# KiCad board mackerel-30-proto.kicad_pcb (continued)
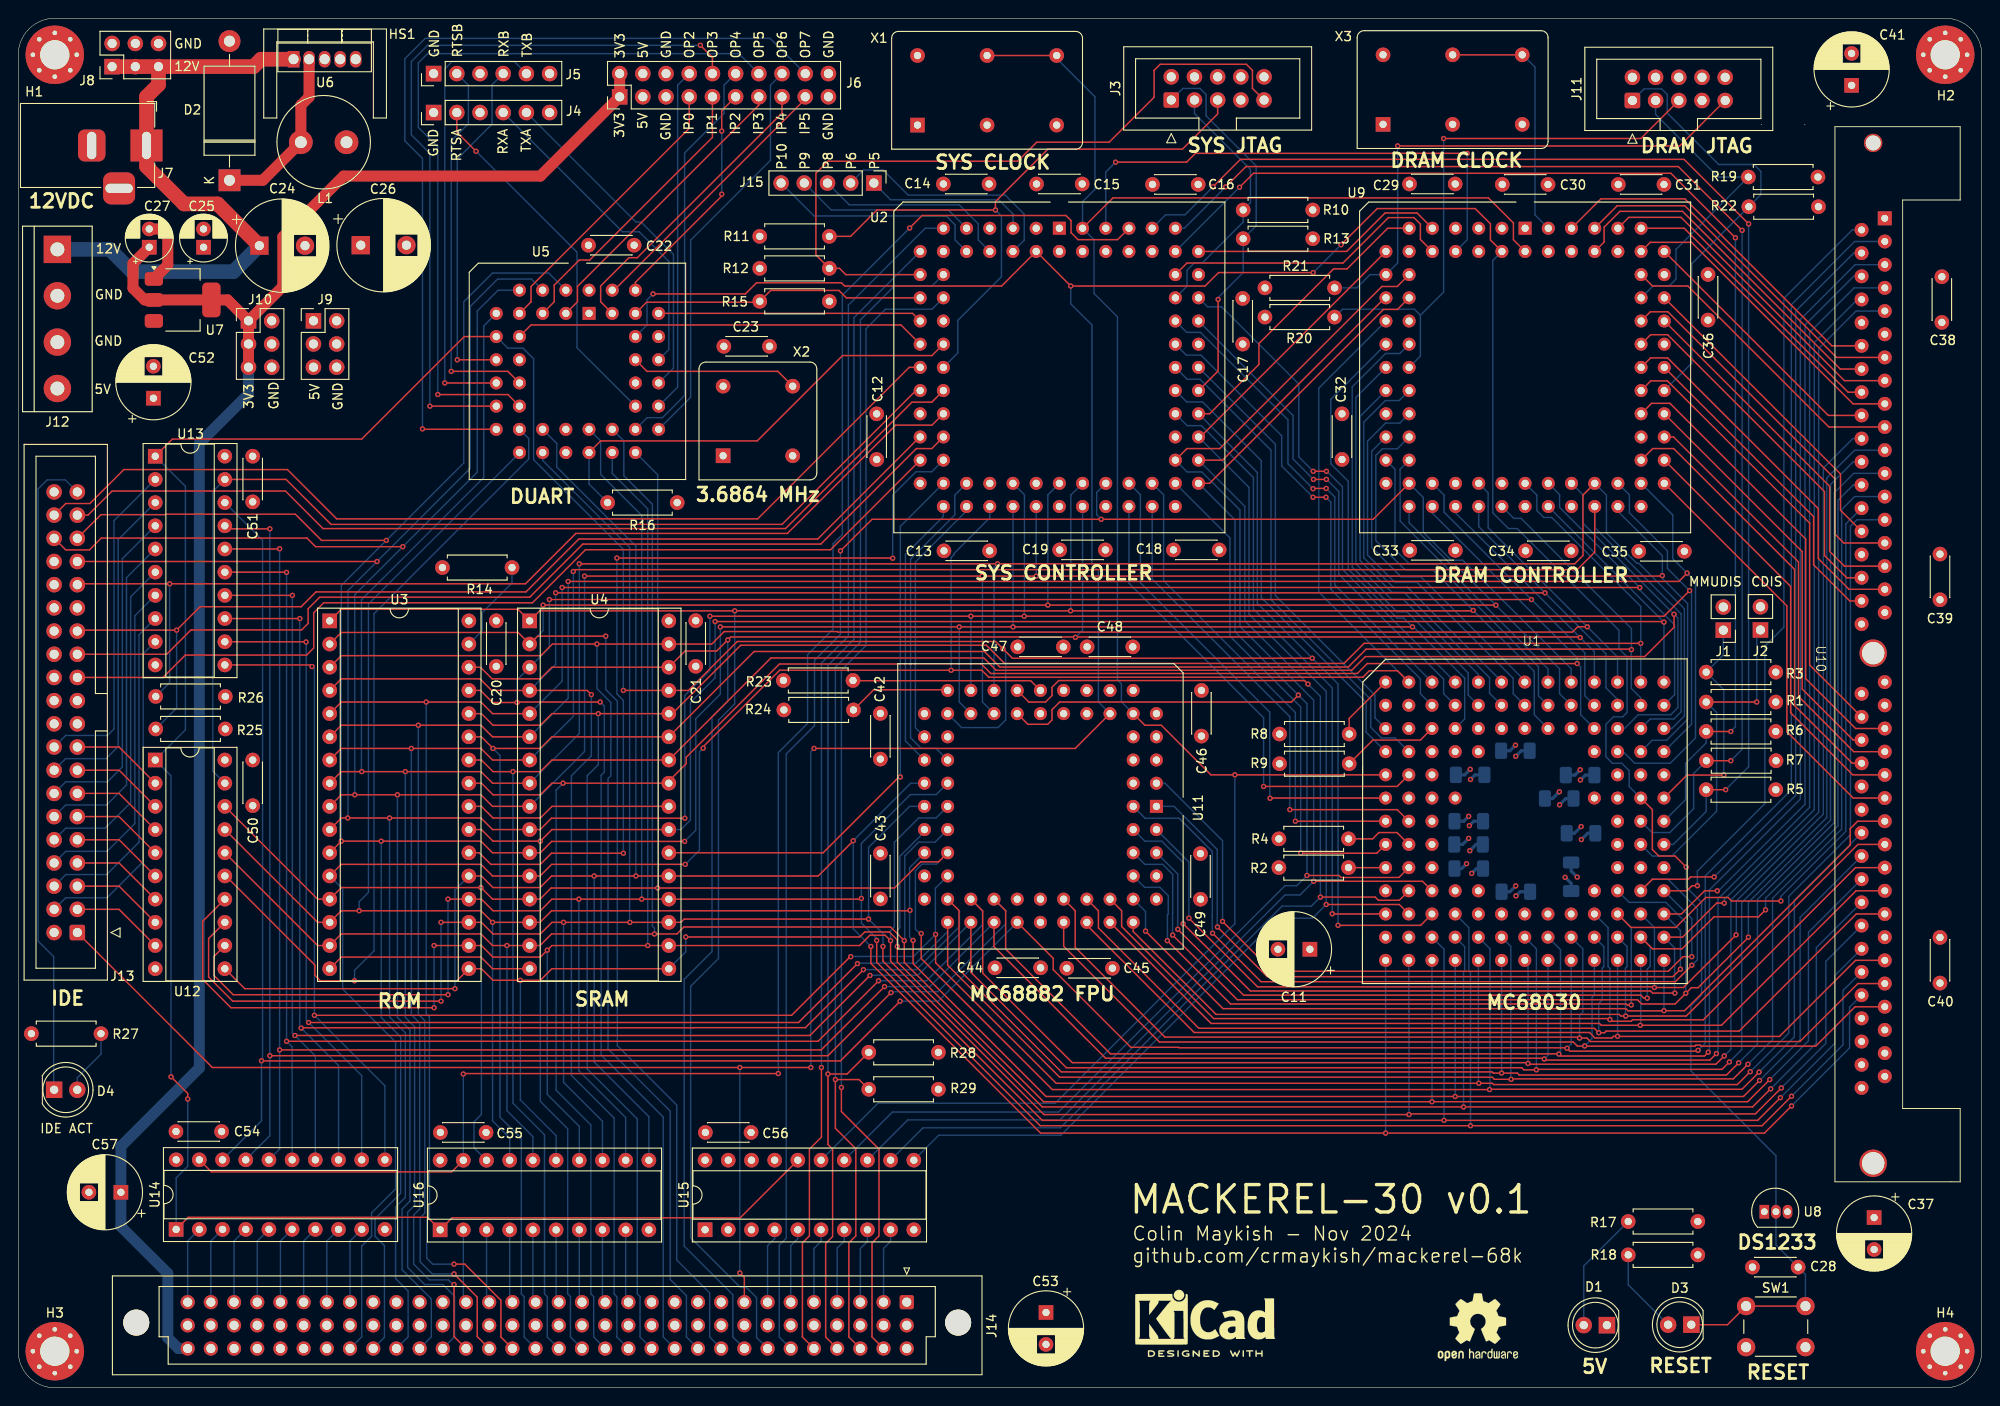
[diagram p0: board, top side]
## Footprints (pads in the part's own frame, mm; a bottom-side part is the same pattern mirrored in y, then rotated) (continued)
PinHeader_1x02_P2.54mm_Vertical
  rect 1.7x1.7 hole 1: 1(0,0)
  oval 1.7x1.7 hole 1: 2(0,-2.54)
PinHeader_1x05_P2.54mm_Vertical
  rect 1.7x1.7 hole 1: 1(0,0)
  oval 1.7x1.7 hole 1: 2(0,-2.54) 3(0,-5.08) 4(0,-7.62) 5(0,-10.16)
PinHeader_1x06_P2.54mm_Vertical
  rect 1.7x1.7 hole 1: 1(0,0)
  oval 1.7x1.7 hole 1: 2(0,-2.54) 3(0,-5.08) 4(0,-7.62) 5(0,-10.16) 6(0,-12.7)
PinHeader_2x03_P2.54mm_Vertical
  rect 1.7x1.7 hole 1: 1(0,0)
  oval 1.7x1.7 hole 1: 2(2.54,0) 3(0,-2.54) 4(2.54,-2.54) 5(0,-5.08) 6(2.54,-5.08)
PinHeader_2x10_P2.54mm_Vertical
  rect 1.7x1.7 hole 1: 1(0,0)
  oval 1.7x1.7 hole 1: 2(2.54,0) 3(0,-2.54) 4(2.54,-2.54) 5(0,-5.08) 6(2.54,-5.08) 7(0,-7.62) 8(2.54,-7.62) 9(0,-10.16) 10(2.54,-10.16) 11(0,-12.7) 12(2.54,-12.7) 13(0,-15.24) 14(2.54,-15.24) 15(0,-17.78) 16(2.54,-17.78) 17(0,-20.32) 18(2.54,-20.32) 19(0,-22.86) 20(2.54,-22.86)
PLCC-44_THT-Socket
  rect 1.422x1.422 hole 0.8: 1(0,0)
  round 1.422 hole 0.8: 2(-2.54,2.54) 3(-2.54,0) 4(-5.08,2.54) 5(-5.08,0) 6(-7.62,2.54) 7(-10.16,0) 8(-7.62,0) 9(-10.16,-2.54) 10(-7.62,-2.54) 11(-10.16,-5.08) 12(-7.62,-5.08) 13(-10.16,-7.62) 14(-7.62,-7.62) 15(-10.16,-10.16) 16(-7.62,-10.16) 17(-10.16,-12.7) 18(-7.62,-15.24) 19(-7.62,-12.7) 20(-5.08,-15.24) 21(-5.08,-12.7) 22(-2.54,-15.24) 23(-2.54,-12.7) 24(0,-15.24) 25(0,-12.7) 26(2.54,-15.24) 27(2.54,-12.7) 28(5.08,-15.24) 29(7.62,-12.7) 30(5.08,-12.7) 31(7.62,-10.16) 32(5.08,-10.16) 33(7.62,-7.62) 34(5.08,-7.62) 35(7.62,-5.08) 36(5.08,-5.08) 37(7.62,-2.54) 38(5.08,-2.54) 39(7.62,0) 40(5.08,2.54) 41(5.08,0) 42(2.54,2.54) 43(2.54,0) 44(0,2.54)
PLCC-68_THT-Socket
  rect 1.422x1.422 hole 0.8: 1(0,0)
  round 1.422 hole 0.8: 2(0,-2.54) 3(-2.54,0) 4(-2.54,-2.54) 5(-5.08,0) 6(-5.08,-2.54) 7(-7.62,0) 8(-7.62,-2.54) 9(-10.16,0) 10(-12.7,-2.54) 11(-10.16,-2.54) 12(-12.7,-5.08) 13(-10.16,-5.08) 14(-12.7,-7.62) 15(-10.16,-7.62) 16(-12.7,-10.16) 17(-10.16,-10.16) 18(-12.7,-12.7) 19(-10.16,-12.7) 20(-12.7,-15.24) 21(-10.16,-15.24) 22(-12.7,-17.78) 23(-10.16,-17.78) 24(-12.7,-20.32) 25(-10.16,-20.32) 26(-12.7,-22.86) 27(-10.16,-25.4) 28(-10.16,-22.86) 29(-7.62,-25.4) 30(-7.62,-22.86) 31(-5.08,-25.4) 32(-5.08,-22.86) 33(-2.54,-25.4) 34(-2.54,-22.86) 35(0,-25.4) 36(0,-22.86) 37(2.54,-25.4) 38(2.54,-22.86) 39(5.08,-25.4) 40(5.08,-22.86) 41(7.62,-25.4) 42(7.62,-22.86) 43(10.16,-25.4) 44(12.7,-22.86) 45(10.16,-22.86) 46(12.7,-20.32) 47(10.16,-20.32) 48(12.7,-17.78) 49(10.16,-17.78) 50(12.7,-15.24) 51(10.16,-15.24) 52(12.7,-12.7) 53(10.16,-12.7) 54(12.7,-10.16) 55(10.16,-10.16) 56(12.7,-7.62) 57(10.16,-7.62) 58(12.7,-5.08) 59(10.16,-5.08) 60(12.7,-2.54) 61(10.16,0) 62(10.16,-2.54) 63(7.62,0) 64(7.62,-2.54) 65(5.08,0) 66(5.08,-2.54) 67(2.54,0) 68(2.54,-2.54)
PLCC-84_THT-Socket
  rect 1.422x1.422 hole 0.8: 1(0,0)
  round 1.422 hole 0.8: 2(0,-2.54) 3(-2.54,0) 4(-2.54,-2.54) 5(-5.08,0) 6(-5.08,-2.54) 7(-7.62,0) 8(-7.62,-2.54) 9(-10.16,0) 10(-10.16,-2.54) 11(-12.7,0) 12(-15.24,-2.54) 13(-12.7,-2.54) 14(-15.24,-5.08) 15(-12.7,-5.08) 16(-15.24,-7.62) 17(-12.7,-7.62) 18(-15.24,-10.16) 19(-12.7,-10.16) 20(-15.24,-12.7) 21(-12.7,-12.7) 22(-15.24,-15.24) 23(-12.7,-15.24) 24(-15.24,-17.78) 25(-12.7,-17.78) 26(-15.24,-20.32) 27(-12.7,-20.32) 28(-15.24,-22.86) 29(-12.7,-22.86) 30(-15.24,-25.4) 31(-12.7,-25.4) 32(-15.24,-27.94) 33(-12.7,-30.48) 34(-12.7,-27.94) 35(-10.16,-30.48) 36(-10.16,-27.94) 37(-7.62,-30.48) 38(-7.62,-27.94) 39(-5.08,-30.48) 40(-5.08,-27.94) 41(-2.54,-30.48) 42(-2.54,-27.94) 43(0,-30.48) 44(0,-27.94) 45(2.54,-30.48) 46(2.54,-27.94) 47(5.08,-30.48) 48(5.08,-27.94) 49(7.62,-30.48) 50(7.62,-27.94) 51(10.16,-30.48) 52(10.16,-27.94) 53(12.7,-30.48) 54(15.24,-27.94) 55(12.7,-27.94) 56(15.24,-25.4) 57(12.7,-25.4) 58(15.24,-22.86) 59(12.7,-22.86) 60(15.24,-20.32) 61(12.7,-20.32) 62(15.24,-17.78) 63(12.7,-17.78) 64(15.24,-15.24) 65(12.7,-15.24) 66(15.24,-12.7) 67(12.7,-12.7) 68(15.24,-10.16) 69(12.7,-10.16) 70(15.24,-7.62) 71(12.7,-7.62) 72(15.24,-5.08) 73(12.7,-5.08) 74(15.24,-2.54) 75(12.7,0) 76(12.7,-2.54) 77(10.16,0) 78(10.16,-2.54) 79(7.62,0) 80(7.62,-2.54) 81(5.08,0) 82(5.08,-2.54) 83(2.54,0) 84(2.54,-2.54)
R_Axial_DIN0207_L6.3mm_D2.5mm_P7.62mm_Horizontal
  round 1.6 hole 0.8: 1(0,0)
  oval 1.6x1.6 hole 0.8: 2(7.62,0)
SIMM-72
  rect 1.524x1.524 hole 0.762: 1(0,0)
  round 1.524 hole 0.762: 2(1.27,-2.54) 3(2.54,0) 4(3.81,-2.54) 5(5.08,0) 6(6.35,-2.54) 7(7.62,0) 8(8.89,-2.54) 9(10.16,0) 10(11.43,-2.54) 11(12.7,0) 12(13.97,-2.54) 13(15.24,0) 14(16.51,-2.54) 15(17.78,0) 16(19.05,-2.54) 17(20.32,0) 18(21.59,-2.54) 19(22.86,0) 20(24.13,-2.54) 21(25.4,0) 22(26.67,-2.54) 23(27.94,0) 24(29.21,-2.54) 25(30.48,0) 26(31.75,-2.54) 27(33.02,0) 28(34.29,-2.54) 29(35.56,0) 30(36.83,-2.54) 31(38.1,0) 32(39.37,-2.54) 33(40.64,0) 34(41.91,-2.54) 35(43.18,0) 36(44.45,-2.54) 37(50.8,0) 38(52.07,-2.54) 39(53.34,0) 40(54.61,-2.54) 41(55.88,0) 42(57.15,-2.54) 43(58.42,0) 44(59.69,-2.54) 45(60.96,0) 46(62.23,-2.54) 47(63.5,0) 48(64.77,-2.54) 49(66.04,0) 50(67.31,-2.54) 51(68.58,0) 52(69.85,-2.54) 53(71.12,0) 54(72.39,-2.54) 55(73.66,0) 56(74.93,-2.54) 57(76.2,0) 58(77.47,-2.54) 59(78.74,0) 60(80.01,-2.54) 61(81.28,0) 62(82.55,-2.54) 63(83.82,0) 64(85.09,-2.54) 65(86.36,0) 66(87.63,-2.54) 67(88.9,0) 68(90.17,-2.54) 69(91.44,0) 70(92.71,-2.54) 71(93.98,0) 72(95.25,-2.54)
  round 2 hole 1.63: 73(-8.255,-1.27)
  round 3 hole 2.45: 74(103.505,-1.27) 75(47.63,-1.27)
SOT-223-3_TabPin2
  rrect 2x1.5 smd: 1(-3.15,2.3) 2(-3.15,0) 3(-3.15,-2.3)
  rrect 2x3.8 smd: 2(3.15,0)
SW_PUSH_6mm_H5mm
  round 2 hole 1.1: 1(0,0) 1(6.5,0) 2(0,-4.5) 2(6.5,-4.5)
TerminalBlock_bornier-4_P5.08mm
  rect 3x3 hole 1.52: 1(0,0)
  round 3 hole 1.52: 2(5.08,0) 3(10.16,0) 4(15.24,0)
TO-92L_Inline
  rect 1.05x1.5 hole 0.75: 1(0,0)
  oval 1.05x1.5 hole 0.75: 2(1.27,0) 3(2.54,0)
TO-220-5_Vertical
  rect 1.275x1.8 hole 1.1: 1(0,0)
  oval 1.275x1.8 hole 1.1: 2(1.7,0) 3(3.4,0) 4(5.1,0) 5(6.8,0)

## Nets
+3.3V: C27.1 C57.1 J6.1 J6.2 J10.1 J10.3 J10.5 J14.c32 U7.2
+5V: C1.1 C2.1 C3.1 C4.1 C5.1 C6.1 C7.1 C8.1 C9.1 C10.1 C11.1 C12.1 C13.1 C14.1 C15.1 C16.1 C17.1 C18.1 C19.1 C20.1 C21.1 C22.1 C23.1 C25.1 C26.1 C29.1 C30.1 C31.1 C32.1 C33.1 C34.1 C35.1 C36.1 C37.1 C38.1 C39.1 C40.1 C41.1 C42.1 C43.1 C44.1 C45.1 C46.1 C47.1 C48.1 C49.1 C50.1 C51.1 C52.1 C53.1 C54.1 C55.1 C56.1 J3.4 J6.3 J6.4 J9.1 J9.3 J9.5 J11.4 J12.4 J14.a1 J14.c1 L1.2 R1.1 R2.1 R3.1 R4.1 R5.1 R6.1 R7.1 R8.1 R9.1 R10.1 R11.1 R12.1 R14.1 R15.2 R16.2 R17.1 R18.1 R19.1 R20.1 R21.1 R23.1 R24.1 R27.1 R28.2 R29.2 U1.C6 U1.D4 U1.D10 U1.F2 U1.F11 U1.H3 U1.H11 U1.K4 U1.K10 U1.L6 U2.3 U2.13 U2.26 U2.38 U2.43 U2.53 U2.66 U2.78 U3.32 U4.32 U5.44 U6.4 U7.3 U8.3 U9.3 U9.13 U9.26 U9.38 U9.43 U9.53 U9.66 U9.78 U10.10 U10.30 U10.59 U11.10 U11.16 U11.17 U11.27 U11.43 U11.52 U11.53 U11.61 U12.20 U13.20 U14.20 U15.20 U16.20 X1.14 X2.8 X3.14
+12V: C24.1 J7.1 J8.1 J8.3 J8.5 J12.1 U6.1
GND: C1.2 C2.2 C3.2 C4.2 C5.2 C6.2 C7.2 C8.2 C9.2 C10.2 C11.2 C12.2 C13.2 C14.2 C15.2 C16.2 C17.2 C18.2 C19.2 C20.2 C21.2 C22.2 C23.2 C24.2 C25.2 C26.2 C27.2 C28.2 C29.2 C30.2 C31.2 C32.2 C33.2 C34.2 C35.2 C36.2 C37.2 C38.2 C39.2 C40.2 C41.2 C42.2 C43.2 C44.2 C45.2 C46.2 C47.2 C48.2 C49.2 C50.2 C51.2 C52.2 C53.2 C54.2 C55.2 C56.2 C57.2 D1.1 D2.2 H1.1 H2.1 H3.1 H4.1 J1.2 J2.2 J3.2 J3.10 J4.1 J5.1 J6.5 J6.6 J6.19 J6.20 J7.2 J8.2 J8.4 J8.6 J9.2 J9.4 J9.6 J10.2 J10.4 J10.6 J11.2 J11.10 J12.2 J12.3 J13.2 J13.19 J13.22 J13.24 J13.26 J13.30 J13.40 J14.b1 J14.b2 J14.b3 J14.b4 J14.b5 J14.b6 J14.b7 J14.b8 J14.b9 J14.b10 J14.b11 J14.b12 J14.b13 J14.b14 J14.b15 J14.b16 J14.b17 J14.b18 J14.b19 J14.b20 J14.b21 J14.b22 J14.b23 J14.b24 J14.b25 J14.b26 J14.b27 J14.b28 J14.b29 J14.b30 J14.b31 J14.b32 R13.2 R22.2 R25.1 R26.1 SW1.2 U1.C5 U1.C7 U1.C9 U1.E3 U1.E11 U1.F3 U1.G3 U1.G11 U1.J3 U1.J11 U1.L5 U1.L7 U1.L8 U1.L9 U2.1 U2.7 U2.19 U2.32 U2.42 U2.47 U2.59 U2.72 U2.82 U2.84 U3.16 U3.24 U4.16 U4.24 U5.22 U6.3 U6.5 U7.1 U8.1 U9.1 U9.7 U9.19 U9.32 U9.42 U9.47 U9.59 U9.72 U9.82 U9.84 U10.1 U10.39 U10.72 U11.4 U11.5 U11.6 U11.7 U11.8 U11.9 U11.12 U11.14 U11.19 U11.30 U11.41 U11.51 U11.63 U12.10 U13.10 U14.10 U15.1 U15.10 U15.17 U15.18 U15.19 U16.10 X1.7 X2.4 X3.7
/AS: U1.J2 U2.54 U9.17 U11.21 U15.14
/AVEC: U1.E2 U2.49
/BERR: U1.H1 U2.55
/CAS0: U9.63 U10.40
/CAS1: U9.58 U10.43
/CAS2: U9.61 U10.41
/CAS3: U9.60 U10.42
/CIIN: U1.L1 U2.61
/CS_DRAM: U2.73 U9.10
/CS_DUART: U2.18 U5.39
/CS_FPU: U2.35 U11.29
/CS_ROM: U2.31 U3.22
/CS_SRAM: U2.34 U4.22
/DS: U1.K2 U2.56 U9.16 U11.20 U15.12
/DSACK0: U1.F1 U2.50
/DSACK0_DRAM: U2.74 U9.9
/DSACK0_FPU: U2.33 U11.31
/DSACK1: U1.G2 U2.51
/DSACK1_DRAM: U2.81 U9.8
/DSACK1_FPU: U2.36 U11.32
/DTACK_DUART: U2.20 U5.10
/EXP_BUF: U2.79 U14.19 U16.19
/IACK_DUART: R15.1 U2.16 U5.41
/IDE_BUF: U2.24 U12.19 U13.19
/IDE_CS0: J13.37 U2.25
/IDE_CS1: J13.38 U2.22
/IDE_RD: J13.25 U2.29
/IDE_WR: J13.23 U2.30
/IPL0: R5.2 U1.H13 U2.77
/IPL1: R6.2 U1.G13 U2.76
/IPL2: R7.2 U1.G12 U2.75
/IRQ_DUART: R16.1 U2.21 U5.24
/RAS0: U9.57 U10.44
/RAS1: U9.64 U10.34
/RAS2: U9.56 U10.45
/RAS3: U9.65 U10.33
/RESET: C28.1 D3.1 J13.1 J14.a8 SW1.1 U1.F12 U2.4 U5.38 U8.2 U9.4 U11.13
/RTSA: J4.2 U5.32
/RTSB: J5.2 U5.14
/STERM: U1.G1 U2.52
A0: J14.c25 U1.A2 U2.37 U3.12 U4.12 U9.18
A1: J13.35 J14.c24 U1.C4 U2.39 U3.11 U4.11 U5.2 U9.20 U11.25
A2: J13.33 J14.c23 U1.D13 U2.40 U3.10 U4.10 U5.4 U9.52 U11.24
A3: J13.36 J14.c22 U1.D12 U2.41 U3.9 U4.9 U5.6 U9.51 U11.23
A4: J14.c21 U1.C13 U3.8 U4.8 U5.7 U9.50 U11.22
A5: J14.c20 U1.C12 U3.7 U4.7 U9.49
A6: J14.c19 U1.D11 U3.6 U4.6 U9.55
A7: J14.c18 U1.B13 U3.5 U4.5 U9.46
A8: J14.c17 U1.B12 U3.27 U4.27 U9.41
A9: J14.c16 U1.C11 U3.26 U4.26 U9.48
A10: J14.c15 U1.A13 U3.23 U4.23 U9.45
A11: J14.c14 U1.C10 U3.25 U4.25 U9.35
A12: J14.c13 U1.B11 U3.4 U4.4 U9.39
A13: J14.c12 U1.A12 U3.28 U4.28 U9.44
A14: J14.c11 U1.B10 U3.29 U4.3 U9.36
A15: J14.c10 U1.A11 U3.3 U4.31 U9.40
A16: J14.c9 U1.B9 U2.44 U3.2 U4.2 U9.33
A17: J14.c8 U1.A10 U2.45 U3.30 U4.30 U9.37
A18: J14.c7 U1.C8 U2.46 U3.1 U4.1 U9.29
A19: J14.c6 U1.A9 U2.48 U9.34
A20: U1.B8 U9.30
A21: U1.A8 U9.31
A22: U1.B7 U9.27
A23: U1.A7 U9.28
A24: U1.A6 U9.25
A25: U1.B6 U9.24
A26: U1.A5 U9.22
A27: U1.B5 U9.21
A28: U1.A4 U2.70
A29: U1.B4 U2.68
A30: U1.A3 U2.69
A31: U1.B3 U2.67
CLK_CPU: U1.E1 U2.83 U9.2 U11.11 U15.15 X1.8
CLK_DRAM: U9.83 X3.8
CS_EXP: J14.c5 U2.11
D0: U1.K13 U10.2 U11.3
D1: U1.K12 U10.4 U11.2
D2: U1.L13 U10.6 U11.1
D3: U1.M13 U10.8 U11.68
D4: U1.L12 U10.20 U11.67
D5: U1.K11 U10.22 U11.66
D6: U1.M12 U10.24 U11.65
D7: U1.L11 U10.26 U11.64
D8: U1.N13 U10.49 U11.62
D9: U1.M11 U10.51 U11.60
D10: U1.L10 U10.53 U11.59
D11: U1.N12 U10.55 U11.58
D12: U1.M10 U10.57 U11.57
D13: U1.N11 U10.61 U11.56
D14: U1.M9 U10.63 U11.55
D15: U1.N10 U10.65 U11.54
D16: U1.N9 U10.3 U11.50 U13.18 U14.18
D17: U1.M8 U10.5 U11.49 U13.17 U14.17
D18: U1.N8 U10.7 U11.48 U13.16 U14.16
D19: U1.N7 U10.9 U11.47 U13.15 U14.15
D20: U1.M7 U10.21 U11.46 U13.14 U14.14
D21: U1.N6 U10.23 U11.45 U13.13 U14.13
D22: U1.M6 U10.25 U11.44 U13.12 U14.12
D23: U1.N5 U10.27 U11.42 U13.11 U14.11
D24: U1.M5 U3.13 U4.13 U5.28 U10.50 U11.40 U12.18 U16.18
D25: U1.N4 U3.14 U4.14 U5.18 U10.52 U11.39 U12.17 U16.17
D26: U1.N3 U3.15 U4.15 U5.27 U10.54 U11.38 U12.16 U16.16
D27: U1.M4 U3.17 U4.17 U5.19 U10.56 U11.37 U12.15 U16.15
D28: U1.N2 U3.18 U4.18 U5.26 U10.58 U11.36 U12.14 U16.14
D29: U1.M3 U3.19 U4.19 U5.20 U10.60 U11.35 U12.13 U16.13
D30: U1.L4 U3.20 U4.20 U5.25 U10.62 U11.34 U12.12 U16.12
D31: U1.N1 U3.21 U4.21 U5.21 U10.64 U11.33 U12.11 U16.11
DRAM_A0: U9.81 U10.12
DRAM_A1: U9.79 U10.13
DRAM_A2: U9.80 U10.14
DRAM_A3: U9.77 U10.15
DRAM_A4: U9.75 U10.16
DRAM_A5: U9.76 U10.17
DRAM_A6: U9.74 U10.18
DRAM_A7: U9.70 U10.28
DRAM_A8: U9.68 U10.31
DRAM_A9: U9.67 U10.32
DRAM_A10: U9.73 U10.19
DRAM_A11: U9.69 U10.29
DRAM_WR: U9.54 U10.47
DTACK_EXP: J14.c4 R28.1 U2.12
EXP_AS: J14.a5 U15.6
EXP_CLK: J14.a6 U15.5
EXP_D16: J14.a32 U14.2
EXP_D17: J14.a31 U14.3
EXP_D18: J14.a30 U14.4
EXP_D19: J14.a29 U14.5
EXP_D20: J14.a28 U14.6
EXP_D21: J14.a27 U14.7
EXP_D22: J14.a26 U14.8
EXP_D23: J14.a25 U14.9
EXP_D24: J14.a20 U16.2
EXP_D25: J14.a19 U16.3
EXP_D26: J14.a18 U16.4
EXP_D27: J14.a17 U16.5
EXP_D28: J14.a16 U16.6
EXP_D29: J14.a15 U16.7
EXP_D30: J14.a14 U16.8
EXP_D31: J14.a13 U16.9
EXP_DS: J14.a3 U15.8
EXP_RW: J14.a7 U15.4
EXP_SIZ0: J14.a2 U15.9
EXP_SIZ1: J14.a4 U15.7
FC0: U1.D2 U2.65
FC1: U1.C1 U2.64
FC2: U1.D1 U2.63
IACK_EXP: J14.c2 U2.17
IDE_D0: J13.17 U12.2
IDE_D1: J13.15 U12.3
IDE_D2: J13.13 U12.4
IDE_D3: J13.11 U12.5
IDE_D4: J13.9 U12.6
IDE_D5: J13.7 U12.7
IDE_D6: J13.5 U12.8
IDE_D7: J13.3 U12.9
IDE_D8: J13.4 U13.9
IDE_D9: J13.6 U13.8
IDE_D10: J13.8 U13.7
IDE_D11: J13.10 U13.6
IDE_D12: J13.12 U13.5
IDE_D13: J13.14 U13.4
IDE_D14: J13.16 U13.3
IDE_D15: J13.18 U13.2
IDE_INT: J13.31 R26.2 U2.27
IDE_RDY: J13.27 R25.2 U2.28
IP0: J6.7 U5.8
IP1: J6.9 U5.5
IP2: J6.11 U5.40
IP3: J6.13 U5.3
IP4: J6.15 U5.43
IP5: J6.17 U5.42
IRQ_EXP: J14.c3 R29.1 U2.15
OP2: J6.8 U5.31
OP3: J6.10 U5.15
OP4: J6.12 U5.30
OP5: J6.14 U5.16
OP6: J6.16 U5.29
OP7: J6.18 U5.17
R/W: U1.L3 U2.60 U4.29 U5.9 U9.11 U11.28 U12.1 U13.1 U14.1 U15.16 U16.1
RXA: J4.4 U5.35
RXB: J5.4 U5.11
SIZ0: U1.L2 U2.58 U9.12 U15.11
SIZ1: U1.K3 U2.57 U9.15 U15.13
TCK: J3.1 R13.1 U2.62
TCK_DRAM: J11.1 R22.1 U9.62
TDI: J3.9 R12.2 U2.14
TDI_DRAM: J11.9 R21.2 U9.14
TDO: J3.3 R10.2 U2.71
TDO_DRAM: J11.3 R19.2 U9.71
TMS: J3.5 R11.2 U2.23
TMS_DRAM: J11.5 R20.2 U9.23
TXA: J4.5 U5.33
TXB: J5.5 U5.13
Net-(D1-A): D1.2 R17.2
Net-(D2-K): D2.1 L1.1 U6.2
Net-(D3-A): D3.2 R18.2
Net-(D4-A): D4.2 R27.2
Net-(D4-K): D4.1 J13.39
Net-(J1-Pin_1): J1.1 R3.2 U1.F13
Net-(J2-Pin_1): J2.1 R1.2 U1.H12
Net-(J15-Pin_1): J15.1 U2.5
Net-(J15-Pin_2): J15.2 U2.6
Net-(J15-Pin_3): J15.3 U2.8
Net-(J15-Pin_4): J15.4 U2.9
Net-(J15-Pin_5): J15.5 U2.10
Net-(U1-/BGACK): R9.2 U1.C3
Net-(U1-/BR): R8.2 U1.A1
Net-(U1-/CBACK): R2.2 U1.J1
Net-(U1-/HALT): R4.2 U1.H2
Net-(U3-PGM): R14.2 U3.31
Net-(U5-X1/CLK): U5.36 X2.5
Net-(U11-/SIZE): R23.2 U11.18
Net-(U11-A0): R24.2 U11.26

Pads without a net: J3 6 7 8; J4 3 6; J5 3 6; J7 3; J11 6 7 8; J13 20 21 28 29 32 34; J14 a9 a10 a11 a12 a21 a22 a23 a24 c26 c27 c28 c29 c30 c31; U1 B1 B2 C2 D3 D5 E12 E13 F4 F10 J12 J13 K1 K5 M1 M2; U2 2 80; U5 1 12 23 34 37; U9 5 6; U10 11 35 36 37 38 46 48 66 67 68 69 70 71 73 74 75; U11 15; U15 2 3; X1 1; X2 1; X3 1

## Via types
v1: diameter 0.584, hole 0.305, Top to Bottom, 294 vias

## Routing (per net, layer and track width the routed paths; a pad name or vN(x,y) marks a point on that pad's centre or on a via; arc(x,y) is an arc through that point)
+3.3V: length 197.9
  Top w1.2: J10.1 22.93,119.15 U7.2 U7.2 13.85,119.15 12.56,120.43 12.56,123.14 C27.1 ; J10.1 28.97,120.62 28.97,126.06 35.63,132.71 57.17,132.71 J6.1 J6.2 ; J10.1 J10.5
  Bottom w1.2: J10.5 25.21,108.84 19.83,103.45 19.83,35.02 11.24,26.43 11.24,17.66 16.37,12.52 16.37,5.46 17.54,4.3 J14.c32
+5V: length 17.7
  Bottom w0.35: C4.1 158.05,56.87 v1(158.59,57.4) ; v1(171.16,60.04) 171.85,60.73 C7.1 ; C8.1 169.46,64.54 v1(168.77,63.85) ; v1(158.89,61.57) 159.37,62.05 C2.1 ; C5.1 163.34,54.33 v1(163.97,54.96) ; v1(158.82,60.17) 158.16,59.51 C3.1 ; v1(171.06,66.57) 171.59,67.1 C9.1 ; C6.1 170.04,55.24 v1(169.38,55.9) ; C10.1 163.34,69.77 v1(163.95,70.38) ; C1.1 158.38,67.13 v1(158.99,67.74)
+12V: length 71.9
  Top w1.6: C24.1 21.83,129.66 18.15,129.66 14.04,133.77 J7.1 14.04,141.41 15.36,142.72 J8.5 ; J8.5 25.77,144.7 26.58,145.51 U6.1 ; J8.5 J8.1
  Bottom w1.6: C24.1 23.56,122.25 12.46,122.25 10.02,124.69 J12.1
GND: length 78.3
  Top w0.152: U4.24 58.44,63.68 57.17,62.41 51.98,62.41 50.71,63.68 U3.24 ; U4.16 51.93,45.9 50.66,47.17 35.37,47.17 U3.16
  Top w1.2: U7.1 16.37,122.97 16.37,126.01 15.46,126.92 C27.2
  In1.Cu w0.5: U9.1 U9.84 ; U2.1 U2.84
  Bottom w0.35: v1(168.75,65.28) 168.01,64.54 C8.2 ; v1(158.82,62.58) 158.28,62.05 C2.2 ; v1(159.15,56.33) 159.68,56.87 C4.2 ; C10.2 164.58,69.77 v1(163.97,69.16) ; C5.2 164.45,54.33 v1(164,53.87) ; v1(171.03,67.69) 170.45,67.1 C9.2 ; C3.2 159.63,59.51 v1(158.94,58.82) ; C6.2 170.04,56.59 v1(170.7,55.93) ; v1(171.13,61.47) 170.4,60.73 C7.2 ; v1(159.02,66.62) 159.53,67.13 C1.2
/AS: length 187.9
  Top w0.152: U9.17 151.03,118.11 149.49,118.11 130.45,99.06 U2.54 ; v1(141.11,56.11) 144.63,56.11 144.85,55.89 151.18,55.89 U1.J2 ; v1(140.17,75.87) 139.41,75.11 114.04,75.11 113.2,74.27 113.2,73.15 112.72,72.67 110.56,72.67 U11.21
  Bottom w0.152: U2.54 133.24,95.06 133.24,82.8 v1(140.17,75.87) 141.11,74.93 v1(141.11,56.11) 139.99,54.99 138.7,54.99 113.91,30.2 95.72,30.2 U15.14
/AVEC: length 53.2
  Top w0.152: v1(136.36,65.86) 150.99,65.86 U1.E2
  Bottom w0.152: U2.49 121.62,88.12 136.36,73.38 v1(136.36,65.86)
/BERR: length 55.9
  Top w0.152: v1(140.43,58.57) 140.45,58.54 148.76,58.54 U1.H1
  Bottom w0.152: U2.55 132.68,93.08 132.68,82.32 140.43,74.57 v1(140.43,58.57)
/CAS0: length 48.9
  Top w0.152: U10.40 196.15,79.17 196.15,94.71 180.58,110.28 178.76,110.28 U9.63
/CAS1: length 47.1
  Top w0.152: U10.43 200.98,69.67 194.93,75.72 194.93,90.45 181.25,104.14 U9.58
/CAS2: length 50.9
  Top w0.152: U9.61 178.84,107.82 180.86,107.82 195.72,92.96 195.72,77.67 201.18,72.21 U10.41
/CAS3: length 45.2
  Top w0.152: U9.60 195.34,91.58 195.34,76.53 200.93,70.94 U10.42
/CIIN: length 68.6
  Top w0.152: v1(143.88,51.92) 143.91,51.89 U1.L1
  Bottom w0.152: U2.61 128,105.38 129.56,105.38 135.24,99.69 135.24,85.29 143.88,76.66 v1(143.88,51.92)
/CS_DRAM: length 33.3
  Top w0.152: U9.10 153.53,125.77 153.53,127.45 152.82,128.17 150.03,128.17 145.05,123.19 127.97,123.19 U2.73
/CS_DUART: length 29
  Top w0.152: U2.18 97.92,117.68 U5.39
/CS_FPU: length 28
  Bottom w0.152: U11.29 98.24,72.29 98.24,90.45 103.84,96.05 U2.35
/CS_ROM: length 94.9
  Top w0.152: v1(66.26,58.54) 58.38,58.54 57.17,57.33 51.74,57.33 50.47,58.6 U3.22 ; v1(65.55,90.88) 95.72,90.88 v1(95.75,90.85)
  Bottom w0.152: U2.31 100.03,100.33 98.29,100.33 95.75,97.79 v1(95.75,90.85) ; v1(65.55,90.88) 65.55,76 66.26,75.29 v1(66.26,58.54)
/CS_SRAM: length 62.9
  Top w0.152: U4.22 88.13,58.6 96.43,66.9 v1(96.59,66.9)
  Bottom w0.152: v1(96.59,66.9) 96.59,94.35 U2.34
/DS: length 184.6
  Top w0.152: U11.20 110.66,75.11 112.49,75.11 113.2,75.82 113.2,76.73 113.92,77.45 140.85,77.45 v1(141.23,77.07) ; U1.K2 151.22,53.39 148.94,53.39 148.58,53.74 v1(142.59,53.74) ; U2.56 131.87,101.6 149.65,119.38 U9.16
  Bottom w0.152: U15.12 99.07,28.47 114.11,28.47 138.39,52.75 141.59,52.75 v1(142.59,53.74) 142.59,75.72 134.31,84 134.31,96.53 U2.56
/DSACK0: length 53.6
  Top w0.152: U1.F1 137.1,64.59 v1(137.07,64.56)
  Bottom w0.152: v1(137.07,64.56) 137.04,64.6 137.04,74 122.88,88.16 122.88,97.81 U2.50
/DSACK0_DRAM: length 28
  Top w0.152: U9.9 153.17,128.67 149.67,128.67 145.46,124.46 U2.74
/DSACK0_FPU: length 30.3
  Bottom w0.152: U2.33 101.3,95.44 97.14,91.29 97.14,70.84 U11.31
/DSACK1: length 53
  Top w0.152: v1(139.23,63.32) 150.99,63.32 U1.G2
  Bottom w0.152: U2.51 124.16,88.58 139.23,73.51 v1(139.23,63.32)
/DSACK1_DRAM: length 57.9
  Top w0.152: v1(120.16,134.24) 127.93,134.24 128.89,135.2 v1(158.66,135.2)
  Bottom w0.152: U2.81 119.08,133.16 v1(120.16,134.24) ; v1(158.66,135.2) 158.66,125.74 U9.8
/DSACK1_FPU: length 35.5
  Bottom w0.152: U11.32 100.47,70.05 98.85,70.05 97.7,71.19 97.7,90.75 102.56,95.6 102.56,97.78 U2.36
/DTACK_DUART: length 45.3
  Top w0.152: U2.20 96.65,116.41 56.15,116.41 U5.10
/EXP_BUF: length 199.5
  Top w0.152: v1(83.23,34.41) 48.78,34.41 v1(48.73,34.36) ; v1(97.6,127.02) 98.97,128.39 114.72,128.39 115.28,127.84 115.28,126.52 116.04,125.75 120.37,125.75 U2.79 ; U14.19 21.15,23.65 47.46,23.65 U16.19
  Bottom w0.152: v1(97.6,127.02) 90.24,119.66 90.24,93.44 89.22,92.43 89.22,83.08 86.43,80.29 86.43,72.77 83.23,69.57 v1(83.23,34.41) ; v1(48.73,34.36) U16.19
/IACK_DUART: length 32.6
  Top w0.152: U2.16 90.67,119.38 89.86,120.19 82.39,120.19 R15.1 81.09,118.9 68.8,118.9 U5.41
/IDE_BUF: length 118.6
  Top w0.152: U13.19 29.33,99.49 34.25,94.56 83.63,94.56 98.29,109.22 U2.24
  Bottom w0.152: U13.19 21.3,98.17 21.3,67.54 U12.19
/IDE_CS0: length 103.9
  Top w0.152: J13.37 7.64,95.58 10.28,98.22 29.25,98.22 33.37,94.1 84.01,94.1 97.86,107.95 100.03,107.95 U2.25
/IDE_CS1: length 106
  Top w0.152: U2.22 97.55,111.76 80.97,95.17 34.86,95.17 29.47,100.57 11.56,100.57 7.84,96.85 5.2,96.85 J13.38
/IDE_RD: length 105.6
  Top w0.152: J13.25 16.25,80.34 18.91,83 31.03,83 31.74,83.72 31.74,85.32 33.01,86.59 56,86.59 61.81,92.4 87.87,92.4 98.34,102.87 100.03,102.87 U2.29
/IDE_WR: length 104.4
  Top w0.152: J13.23 15.84,77.8 18.29,80.25 31.57,80.25 32.35,81.02 32.35,84.88 33.44,85.98 56.3,85.98 62.12,91.79 88.95,91.79 U2.30
/IPL0: length 145
  Top w0.152: v1(189.47,127.48) 182.41,134.54 133.82,134.54 v1(130.83,131.54) ; v1(186.96,65.5) R5.2
  Bottom w0.152: U1.H13 181.22,59.51 184.83,63.12 R5.2 ; v1(186.96,65.5) 189.47,68.02 v1(189.47,127.48) ; U2.77 125.63,128.47 127.75,128.47 v1(130.83,131.54)
/IPL1: length 136.5
  Top w0.152: v1(188.03,125.96) 180.96,133.02 135.26,133.02 v1(133.73,131.49) ; R6.2 v1(187.52,71.88)
  Bottom w0.152: v1(188.03,125.96) 188.03,72.39 v1(187.52,71.88) ; v1(133.73,131.49) U2.76 ; R6.2 184.83,70.64 182.56,68.37 182.56,64.41 U1.G13
/IPL2: length 142.3
  Top w0.152: v1(188.76,126.77) 181.78,133.75 134.43,133.75 v1(132.21,131.53) ; v1(187.52,68.68) R7.2
  Bottom w0.152: U2.75 127.68,127 v1(132.21,131.53) ; v1(188.76,126.77) 188.76,69.92 v1(187.52,68.68) ; R7.2 183.45,67.28 183.45,63.42 180.84,60.81 178.91,60.81 U1.G12
/IRQ_DUART: length 50
  Top w0.152: U5.24 63.77,103.71 80.91,103.71 90.26,113.05 100.05,113.05 U2.21
  Bottom w0.152: U5.24 62.5,98.98 R16.1
/RAS0: length 47.7
  Top w0.152: U10.44 200.83,68.4 194.5,74.72 194.5,89.63 181.27,102.87 178.97,102.87 U9.57
/RAS1: length 35.3
  Top w0.152: U10.34 200.55,86.18 196.59,90.14 196.59,95.41 U9.64
/RAS2: length 46.5
  Top w0.152: U10.45 200.88,67.13 194.07,73.94 194.07,87.77 U9.56
/RAS3: length 40.8
  Top w0.152: U10.33 200.47,87.45 197.09,90.83 197.09,96.31 180.6,112.8 178.74,112.8 U9.65
/RESET: length 487.9
  Top w0.152: v1(141.8,122.15) 131.43,122.15 129.96,120.67 v1(115.25,120.67) U2.4 107.67,120.67 90.49,120.67 90.13,121.03 80.84,121.03 79.62,119.81 v1(69.51,119.81) ; U11.13 115.74,70.03 v1(87.14,70.03) ; J13.1 21.25,35.08 v1(79.01,35.08) v1(86.78,35.08) ; U9.4 161.2,125.72 161.2,127.48 159.53,129.16 148.81,129.16 v1(144.85,125.19) ; v1(182.64,57.02) 181.42,58.24 179.64,58.24 178.93,58.95 178.93,63.32 U1.F12 ; v1(79.01,12.57) 79.51,12.07 J14.a8 ; SW1.1 SW1.1 187.16,6.91 D3.1
  Bottom w0.152: v1(115.25,120.67) 115.25,118.73 117.57,116.41 117.57,90.19 118.28,89.48 118.28,75.11 U11.13 ; v1(86.78,35.08) 86.78,69.67 v1(87.14,70.03) ; v1(69.51,119.81) 68.85,119.15 68.85,116.41 U5.38 ; SW1.1 195.7,12.41 C28.1 192.46,15.64 U8.2 192.46,25.41 183.15,34.72 183.15,41.83 184.32,43 184.32,53.16 182.64,54.84 v1(182.64,57.02) ; U9.4 161.46,123.46 161.46,95.83 163.18,94.1 164.13,94.1 175.28,82.96 175.28,80.95 176.16,80.06 176.16,73.96 175.68,73.48 174.67,73.48 173.85,72.67 173.85,69.11 174.56,68.4 175.58,68.4 176.39,67.59 176.39,65.86 U1.F12 ; v1(79.01,12.57) v1(79.01,35.08) ; v1(141.8,122.15) v1(144.85,125.19)
/RTSA: length 40.3
  Top w0.152: J4.2 48.02,137.54 v1(50.13,135.43)
  Bottom w0.152: U5.32 61.18,113.92 61.18,124.38 v1(50.13,135.43)
/RTSB: length 41.9
  Top w0.152: U5.14 53.61,111.33 v1(47.41,111.33)
  Bottom w0.152: v1(47.41,111.33) 47.41,136.57 49.29,138.45 49.29,142.67 J5.2
/STERM: length 53.4
  Top w0.152: U1.G1 v1(139.84,62.05)
  Bottom w0.152: U2.52 125.42,97.8 125.42,88.39 139.84,73.96 v1(139.84,62.05)
A0: length 259.2
  Top w0.152: U1.A2 151.02,78.53 147.94,78.53 147.23,77.82 106.26,77.82 105.5,78.59 v1(102.15,78.59) 83.38,78.59 75,70.21 v1(75,70.05) ; U3.12 35.37,57.33 50.66,57.33 51.93,56.06 U4.12 57.14,56.06 58.41,57.33 v1(73.04,57.33)
  Bottom w0.152: v1(73.04,57.33) 74.59,58.88 74.59,69.64 v1(75,70.05) ; U9.18 142.41,109.49 142.41,87.15 U1.A2 ; J14.c25 37.61,5.57 37.61,15.52 38.69,16.6 38.69,19.16 41.32,21.79 41.32,37.87 35.52,43.66 35.52,54.63 U3.12 ; U2.37 106.38,95.29 102.44,91.35 102.44,91.22 102.15,90.93 v1(102.15,78.59)
A1: length 388.7
  Top w0.152: v1(152.67,83.34) v1(108.93,83.34) v1(103.04,83.34) v1(76.88,83.34) ; J13.35 9.06,95.63 16.12,95.63 16.17,95.68 30.34,95.68 33.21,92.81 v1(40.3,92.81) ; v1(72.96,59.84) 58.41,59.84 57.17,58.6 U4.11 51.93,58.6 50.66,59.87 v1(39.74,59.87) v1(35.37,59.87) U3.11
  Bottom w0.152: U1.C4 158.38,73.25 158.38,77.72 152.77,83.34 v1(152.67,83.34) 151.7,84.3 150.99,84.3 145.63,89.66 145.63,99.29 143.73,101.19 143.73,108.27 U9.20 ; v1(72.96,59.84) 74.18,61.06 74.18,73.28 76.88,75.97 v1(76.88,83.34) ; v1(103.04,83.34) 103.04,75.11 U11.25 ; J14.c24 40.1,5.52 40.1,15.57 39.07,16.6 39.07,18.5 41.87,21.31 41.87,38.43 39.74,40.56 v1(39.74,59.87) ; U2.39 108.92,83.35 v1(108.93,83.34) ; U5.2 58.08,122.1 51.93,122.1 48.78,118.95 48.78,101.29 v1(40.3,92.81) 35.37,87.88 v1(35.37,59.87)
A2: length 393.8
  Top w0.152: v1(72.99,62.38) 58.38,62.38 57.14,61.14 U4.10 51.93,61.14 50.66,62.41 v1(40.66,62.41) v1(36.08,62.41) 35.37,62.41 U3.10 ; v1(75.73,84.5) v1(104.31,84.5) v1(110.15,84.5) 180.2,84.5 v1(183.01,87.31) ; v1(39.28,90.5) J13.33
  Bottom w0.152: v1(72.99,62.38) 72.99,75.82 75.73,78.56 v1(75.73,84.5) ; U5.4 56.2,121.44 52.49,121.44 49.49,118.44 49.49,100.71 v1(39.28,90.5) 36.11,87.32 36.11,62.43 v1(36.08,62.41) ; U11.24 v1(104.31,84.5) ; U9.52 176.42,97.8 176.42,95.83 180.58,91.67 180.58,89.74 v1(183.01,87.31) 183.23,87.09 183.23,72.69 U1.D13 ; J14.c23 42.69,5.57 42.69,10.59 41.32,11.96 41.32,19.78 42.38,20.85 42.38,38.89 40.66,40.61 v1(40.66,62.41) ; v1(110.15,84.5) 110.18,84.53 110.18,97.81 U2.40
A3: length 392.2
  Top w0.152: v1(62,88.9) 179.97,88.9 v1(180.03,88.95) ; U4.9 51.93,63.68 50.66,64.95 v1(41.52,64.95) v1(36.85,64.95) 35.37,64.95 U3.9 ; v1(42.1,92.12) 32.55,92.12 31.61,93.06 9.08,93.06 7.79,91.77 5.2,91.77 J13.36
  Bottom w0.152: U9.51 175.16,96 180.03,91.13 180.03,88.64 182.79,85.88 182.79,73.22 180.49,70.91 178.91,70.91 U1.D12 ; v1(111.47,88.9) 111.46,88.91 U2.41 ; v1(105.55,88.9) 105.58,88.87 105.58,75.11 U11.23 ; v1(41.52,64.95) 41.52,40.56 42.89,39.19 42.89,20.44 42.03,19.58 42.03,12.93 45.23,9.73 45.23,5.57 J14.c22 ; U5.6 52.54,120.22 50.26,117.93 50.26,100.28 v1(42.1,92.12) 36.85,86.87 v1(36.85,64.95) ; U4.9 62,69.68 v1(62,88.9)
A4: length 338.5
  Top w0.152: U4.8 51.93,66.22 50.66,67.49 v1(42.38,67.49) v1(37.61,67.49) 35.37,67.49 U3.8 ; U9.50 171.34,97.78 171.34,91.16 170.42,90.24 v1(61.43,90.24)
  Bottom w0.152: U11.22 106.85,89.86 v1(107.23,90.24) ; v1(61.43,90.24) 61.43,71.65 U4.8 ; U1.C13 181.07,72.21 182.44,73.58 182.44,85.32 177.46,90.29 177.23,90.29 173.9,93.62 173.9,97.78 U9.50 ; v1(37.61,67.49) 37.58,67.51 37.58,86.31 50.97,99.69 50.97,116.3 U5.7 ; v1(42.38,67.49) 42.38,40.56 43.4,39.55 43.4,19.99 42.64,19.23 42.64,13.18 44.52,11.3 46.5,11.3 47.77,10.03 47.77,5.57 J14.c21
A5: length 264.9
  Top w0.152: U3.7 35.37,70.03 v1(43.04,70.03) 50.66,70.03 51.93,68.76 U4.7 ; v1(47.72,11.3) 47.72,5.61 J14.c20 ; U9.49 172.62,91.53 170.7,89.61 60.98,89.61 v1(60.77,89.41)
  Bottom w0.152: U1.C12 178.7,73.25 181.29,73.25 182.08,74.04 182.08,84.76 172.62,94.23 U9.49 ; U4.7 60.78,73.54 60.78,89.39 v1(60.77,89.41) ; v1(43.04,70.03) 43.04,40.87 43.96,39.95 43.96,19.58 43.3,18.92 43.3,13.54 45.02,11.81 47.11,11.81 47.61,11.3 v1(47.72,11.3)
A6: length 278.5
  Top w0.152: v1(60.21,88.31) 181.83,88.31 v1(182.74,89.23) ; U4.6 51.93,71.3 50.66,72.57 v1(43.8,72.57) 35.37,72.57 U3.6 ; J14.c19 50.26,5.61 50.26,9.93 v1(47.72,12.47)
  Bottom w0.152: v1(60.21,88.31) 60.21,75.51 U4.6 ; U1.D11 175.73,69.67 177,68.4 180.89,68.4 183.66,71.17 183.66,88.31 v1(182.74,89.23) 181.17,90.8 181.17,95.59 U9.55 ; v1(47.72,12.47) 45.33,12.47 44.01,13.79 44.01,18.62 44.52,19.12 44.52,40.21 43.8,40.92 v1(43.8,72.57)
A7: length 263.8
  Top w0.152: U3.5 35.37,75.11 v1(44.67,75.11) 50.66,75.11 51.93,73.84 U4.5 ; J14.c18 52.85,5.56 52.85,9.59 48.9,13.54 v1(47.72,13.54) ; v1(59.55,87.65) 177.55,87.65 v1(177.55,87.65)
  Bottom w0.152: U9.46 168.77,97.83 168.77,96.43 v1(177.55,87.65) 177.55,87.38 181.37,83.56 181.37,75.92 U1.B13 ; v1(44.67,75.11) 44.67,40.97 45.02,40.61 45.02,18.72 44.72,18.41 44.72,14.2 45.38,13.54 v1(47.72,13.54) ; U4.5 59.55,77.39 v1(59.55,87.65)
A8: length 230
  Top w0.152: v1(176.65,80.85) 176.6,80.9 147.59,80.9 145.63,78.94 107.48,78.94 105.78,80.64 80.58,80.64 U4.27 58.44,71.3 57.17,70.03 v1(51.98,70.03) 50.71,71.3 U3.27
  Bottom w0.152: J14.c17 55.39,5.56 55.39,9.98 55.08,10.28 55.08,27.3 52.75,29.64 52.75,69.26 v1(51.98,70.03) ; U9.41 163.76,95.22 164.56,95.22 176.65,83.13 v1(176.65,80.85) 176.62,80.82 176.62,76.6 177.66,75.56 U1.B12
A9: length 243.8
  Top w0.152: v1(181.31,84.72) 181.31,83.3 178.09,80.08 147.51,80.08 146.01,78.59 107.08,78.59 105.73,79.93 82.41,79.93 U4.26 58.44,68.76 57.17,67.49 v1(54.17,67.49) 51.98,67.49 50.71,68.76 U3.26
  Bottom w0.152: U9.48 171.31,97.83 171.31,94.71 v1(181.31,84.72) 181.73,84.3 181.73,74.5 180.94,73.71 177.38,73.71 175.88,72.21 U1.C11 ; J14.c16 57.93,5.56 57.93,9.98 57.62,10.28 57.62,27.71 54.17,31.16 v1(54.17,67.49)
A10: length 234.5
  Top w0.152: U4.23 58.44,61.14 v1(57.17,59.87) 51.98,59.87 50.71,61.14 U3.23 ; v1(180.2,83.86) 180.14,83.92 v1(76.3,83.92)
  Bottom w0.152: U9.45 v1(180.2,83.86) U1.A13 ; v1(76.3,83.92) 76.3,77.76 73.6,75.05 73.6,62.18 72.55,61.14 U4.23 ; v1(57.17,59.87) 57.17,31.37 60.16,28.37 60.16,10.28 60.47,9.98 60.47,5.56 J14.c15
A11: length 225.4
  Top w0.152: v1(170.7,79.32) 147.72,79.32 146.62,78.23 106.49,78.23 105.45,79.27 83.35,79.27 73.14,69.06 73.14,68.35 71.24,66.45 U4.25 v1(59.65,66.22) 58.44,66.22 57.17,64.95 51.98,64.95 50.71,66.22 U3.25
  Bottom w0.152: J14.c14 63.01,5.56 63.01,9.98 62.7,10.28 62.7,28.78 58.89,32.59 58.89,65.45 v1(59.65,66.22) ; U9.35 154.84,95.79 170.7,79.93 v1(170.7,79.32) 171.08,78.94 171.08,73.71 U1.C10
A12: length 253.3
  Top w0.152: U3.4 35.37,77.65 50.56,77.65 51.83,76.38 U4.4 62.3,76.38 v1(62.75,75.92) ; v1(167.18,87.07) 167.17,87.07 v1(58.84,87.07)
  Bottom w0.152: U9.39 159.92,94.33 v1(167.18,87.07) 173.85,80.39 173.85,76.66 175.12,75.39 U1.B11 ; v1(58.84,87.07) 58.84,79.22 U4.4 ; v1(62.75,75.92) 62.75,69.21 60.57,67.03 60.57,34.21 65.24,29.54 65.24,10.28 65.55,9.98 65.55,5.56 J14.c13
A13: length 234.7
  Top w0.152: U3.28 50.71,73.84 51.98,72.57 57.17,72.57 58.44,73.84 v1(63.52,73.84) U4.28 71.62,73.84 79.11,81.33 106.01,81.33 108,79.33 145.16,79.33 147.36,81.53 v1(177.66,81.53)
  Bottom w0.152: J14.c12 68.09,5.56 68.09,9.98 67.78,10.28 67.78,29.44 62.3,34.92 62.3,67.03 63.52,68.25 v1(63.52,73.84) ; U9.44 166.28,97.78 166.28,96.09 167.05,95.32 167.91,95.32 177.66,85.57 v1(177.66,81.53) U1.A12
